# Altium PCB controller_V1.3.PcbDoc (part 3 of 6)
Units mil, origin at the board's own origin, x right, y up, seen from the top; angles counter-clockwise.
Board outline 9606 x 5905.51 mil, 2 copper layers (Top Layer, Bottom Layer); 441 components, 367 nets, 1496 pads, 5349 vias.
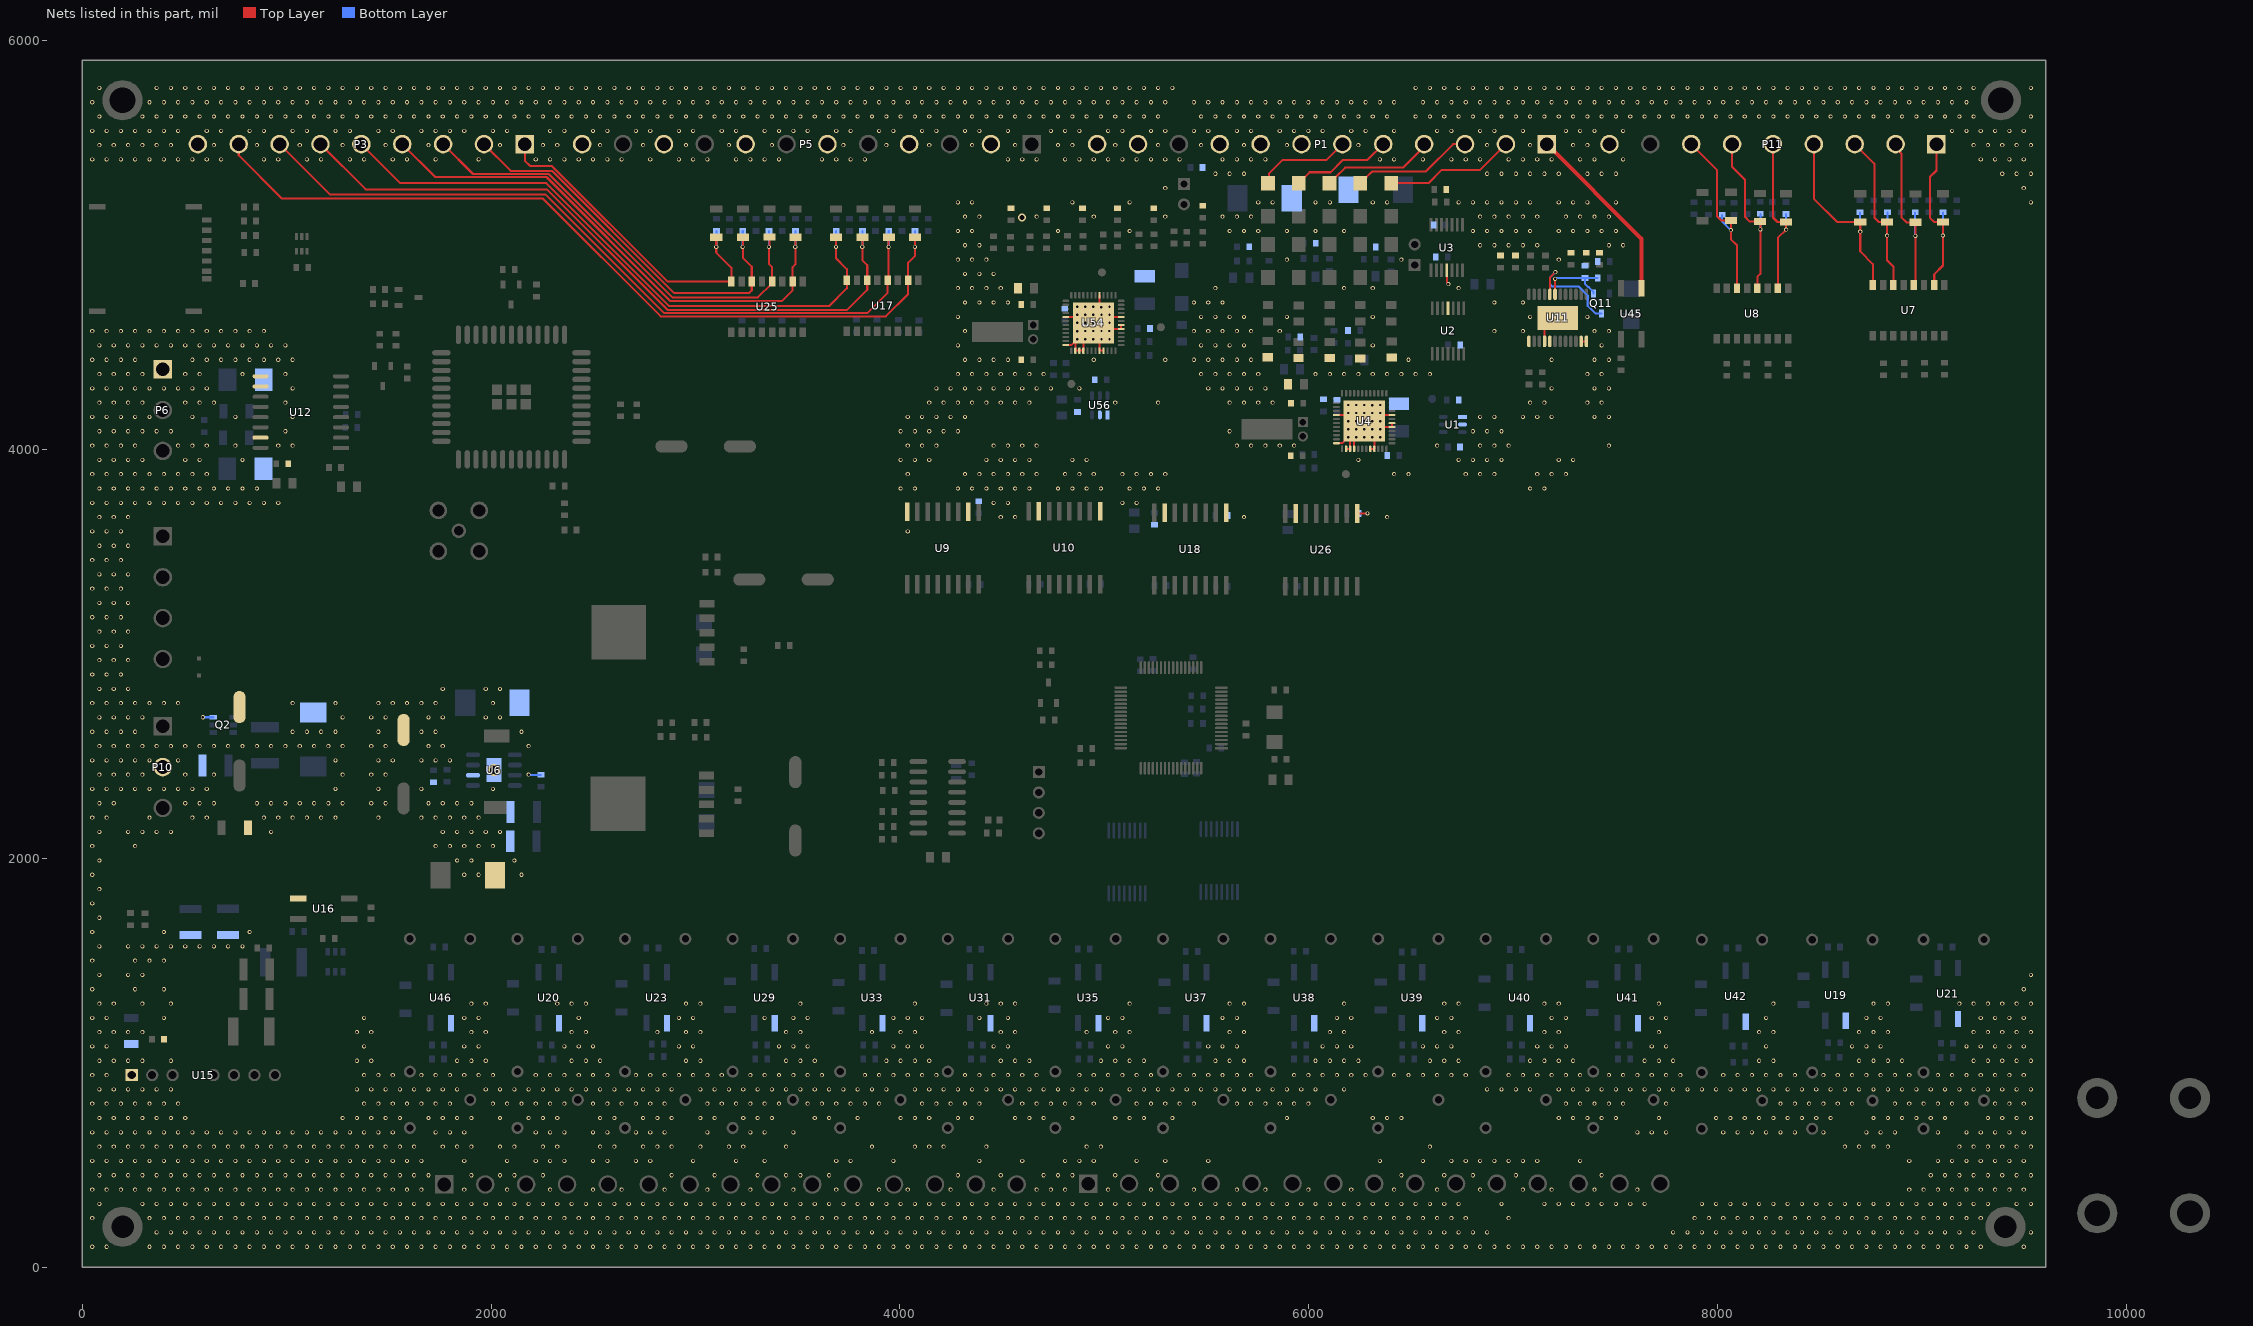
[diagram p3: the nets of this part, all layers, seen from the top]

## Via types
v1: diameter 20, hole 12, Top Layer to Bottom Layer, tented both sides, 5236 vias
v2: diameter 23.62, hole 11.81, Top Layer to Bottom Layer, 50 vias
v3: diameter 40, hole 25, Top Layer to Bottom Layer, tented both sides, 39 vias
v4: diameter 30, hole 20, Top Layer to Bottom Layer, tented both sides, 16 vias
v5: diameter 60, hole 40, Top Layer to Bottom Layer, tented both sides, 7 vias
v6: diameter 59.06, hole 39.37, Top Layer to Bottom Layer, 1 vias

## Nets (pads, with @x,y where several pads share a name; then routed paths per layer and width w, separated by ;. In a path a pad name is that pad's centre, name@x,y a point inside that pad or via, vN(x,y) a via of type N, cw(c..) or ccw(c..) an arc to the next point about the centre after c; other vN are vias at no path point) (continued)
AGND: C1.2 C2.1 C6.1 C7.1 C8.1 C15.1 C17.1 C25.1 C27.1 C36.1 C37.1 C38.2 C39.2 C40.1 C43.2 C44.2 C46.1 C47.1 C48.2 C49.1 C54.1 C58.1 C59.2 C62.1 C67.2 C68.2 C84.1 C85.1 C86.1 C112.1 C121.1 C133.1 C134.1 C135.1 C136.1 C138.1 C151.2 C153.2 C156.2 C157.1 C159.2 C160.1 C162.2 C164.1 C165.1 C167.1 D26.1 D35.1 D52.1 D75.1 D76.1 D78.1 D79.1 E13.2 E14.2 E138.2 P1.12 P3.9 P5.2 P5.4 P5.6 P5.8 P5.10 P5.12 P6.1 P10.2 P11.9 Q2.3 R6.1 R12.1 R14.1 R18.1 R23.1 R71.2 R89.1 R199.1 R200.1 R211.1 R212.1 R223.1 R224.1 U1.1 U1.2 U2.11 U3.11 U4.5 U4.12 U4.14 U4.15 U4.16 U4.20 U4.21 U4.29 U4.30 U4.32 U4.49 U6.6 U6.9 U9.2 U9.8 U10.9 U10.15 U11.1 U11.4 U11.5 U11.11 U11.12 U11.25 U12.9 U12.10 U12.15 U15.1 U16.3 U18.9 U18.15 U19.3 U20.3 U21.3 U23.3 U26.9 U26.15 U29.3 U31.3 U33.3 U35.3 U37.3 U38.3 U39.3 U40.3 U41.3 U42.3 U46.3 U54.5 U54.12 U54.14 U54.15 U54.16 U54.20 U54.21 U54.29 U54.30 U54.32 U54.41 U54.49 U56.1 U56.2 | length 1783.5
  Top Layer w10: U54.12@4811.34,4510.73 4838.9,4510.73 4853.66,4525.5 4856.69,4525.5 4858.58,4523.61 U54.14@4858.58,4483.17 U54.15@4878.27,4483.17 U54.16@4897.95,4483.17 U54.49@4897.95,4569.79 ; U54.5@4811.34,4648.53 4858.58,4648.53 v2(4868.43,4658.37) ; v2(4868.43,4540.26) U54.49@4897.95,4569.79 ; U54.49@4976.69,4658.37 U54.41@4976.69,4754.83 ; v2(4986.54,4540.26) 4976.69,4530.42 U54.20@4976.69,4483.17 U54.21@4996.38,4483.17 ; v2(5024.72,4579.63) 5034.57,4589.47 U54.29@5082.99,4589.47 U54.30@5082.99,4609.16 ; U54.32@5082.99,4648.53 4976.69,4648.53 v2(4947.17,4619) v2(4907.8,4579.63) U54.49@4897.95,4569.79 ; U4.12@6136.34,4030.73 6163.9,4030.73 v2(6193.43,4060.26) 6203.27,4050.42 U4.15@6203.27,4003.17 U4.14@6183.58,4003.17 ; U4.5@6136.34,4168.53 6183.58,4168.53 v2(6193.43,4178.37) ; U4.16@6222.95,4003.17 6222.95,4050.42 v2(6232.8,4060.26) ; U26.9@6236.85,3686.87 v1(6288.13,3686.87) ; v2(6272.17,4060.26) v2(6311.54,4060.26) ; U4.20@6301.69,4003.17 U4.21@6321.38,4003.17 6321.38,4050.42 v2(6311.54,4060.26) ; v2(6349.72,4099.63) 6359.57,4109.47 U4.29@6407.99,4109.47 U4.30@6407.99,4129.16 ; v2(6350.91,4060.26) v2(6311.54,4060.26) ; v2(6350.91,4178.37) 6360.75,4168.53 U4.32@6407.99,4168.53 ; U3.11@6676,4877 6676,4819.46 6683.75,4811.71 v1(6683.75,4809) ; U11.4@7154.56,4528.84 7154.56,4589.95 7208.61,4644 U11.25@7218.54,4644 ; U11.11@7333.69,4528.84 U11.12@7359.28,4528.84
  Bottom Layer w10: v1(590.2,2689.8) Q2.3@640.85,2689.8 ; v1(2183.75,2409) 2184.75,2408 C68.2@2244.85,2408
  other v1: 48.75,99 118.75,99 328.75,99 398.75,99 468.75,99 538.75,99 608.75,99 678.75,99 748.75,99 818.75,99 888.75,99 958.75,99 1028.75,99 1098.75,99 1168.75,99 1238.75,99 1308.75,99 1378.75,99 1448.75,99 1518.75,99 1588.75,99 1658.75,99 1728.75,99 1798.75,99 1868.75,99 1938.75,99 2008.75,99 2078.75,99 2148.75,99 2218.75,99 2288.75,99 2358.75,99 2428.75,99 2498.75,99 2568.75,99 2638.75,99 2708.75,99 2778.75,99 2848.75,99 2918.75,99 2988.75,99 3058.75,99 3128.75,99 3198.75,99 3268.75,99 3338.75,99 3408.75,99 3478.75,99 3548.75,99 3618.75,99 3688.75,99 3758.75,99 3828.75,99 3898.75,99 3968.75,99 4038.75,99 4108.75,99 4178.75,99 4248.75,99 4318.75,99 4388.75,99 4458.75,99 4528.75,99 4598.75,99 4668.75,99 4738.75,99 4808.75,99 4878.75,99 4948.75,99 5018.75,99 5088.75,99 5158.75,99 5228.75,99 5298.75,99 5368.75,99 5438.75,99 5508.75,99 5578.75,99 5648.75,99 5718.75,99 5788.75,99 5858.75,99 5928.75,99 5998.75,99 6068.75,99 6138.75,99 6208.75,99 6278.75,99 6348.75,99 6418.75,99 6488.75,99 6558.75,99 6628.75,99 6698.75,99 6768.75,99 6838.75,99 6908.75,99 6978.75,99 7048.75,99 7118.75,99 7188.75,99 7258.75,99 7328.75,99 7398.75,99 7468.75,99 7538.75,99 7608.75,99 7678.75,99 7748.75,99 7818.75,99 7888.75,99 7958.75,99 8028.75,99 8098.75,99 8168.75,99 8238.75,99 8308.75,99 8378.75,99 8448.75,99 8518.75,99 8588.75,99 8658.75,99 8728.75,99 8798.75,99 8868.75,99 8938.75,99 9008.75,99 9078.75,99 9148.75,99 9218.75,99 9288.75,99 9498.75,99 363.75,169 433.75,169 503.75,169 573.75,169 643.75,169 713.75,169 783.75,169 853.75,169 923.75,169 993.75,169 1063.75,169 1133.75,169 1203.75,169 1273.75,169 1343.75,169 1413.75,169 1483.75,169 1553.75,169 1623.75,169 1693.75,169 1763.75,169 1833.75,169 1903.75,169 1973.75,169 2043.75,169 2113.75,169 2183.75,169 2253.75,169 2323.75,169 2393.75,169 2463.75,169 2533.75,169 2603.75,169 2673.75,169 2743.75,169 2813.75,169 2883.75,169 2953.75,169 3023.75,169 3093.75,169 3163.75,169 3233.75,169 3303.75,169 3373.75,169 3443.75,169 3513.75,169 3583.75,169 3653.75,169 3723.75,169 3793.75,169 3863.75,169 3933.75,169 4003.75,169 4073.75,169 4143.75,169 4213.75,169 4283.75,169 4353.75,169 4423.75,169 4493.75,169 4563.75,169 4633.75,169 4703.75,169 4773.75,169 4843.75,169 4913.75,169 4983.75,169 5053.75,169 5123.75,169 5193.75,169 5263.75,169 5333.75,169 5403.75,169 5473.75,169 5543.75,169 5613.75,169 5683.75,169 5753.75,169 5823.75,169 5893.75,169 5963.75,169 6033.75,169 6103.75,169 6173.75,169 6243.75,169 6313.75,169 6383.75,169 6453.75,169 6523.75,169 6593.75,169 6663.75,169 6733.75,169 6803.75,169 6873.75,169 7783.75,169 7853.75,169 7923.75,169 7993.75,169 8063.75,169 8133.75,169 8203.75,169 8273.75,169 8343.75,169 8413.75,169 8483.75,169 8553.75,169 8623.75,169 8693.75,169 8763.75,169 8833.75,169 8903.75,169 8973.75,169 9043.75,169 9113.75,169 9183.75,169 9253.75,169 9533.75,169 48.75,239 328.75,239 398.75,239 468.75,239 538.75,239 608.75,239 678.75,239 748.75,239 818.75,239 888.75,239 958.75,239 1028.75,239 1098.75,239 1168.75,239 1238.75,239 1308.75,239 1378.75,239 1448.75,239 1518.75,239 1588.75,239 1658.75,239 1728.75,239 1798.75,239 1868.75,239 1938.75,239 2008.75,239 2078.75,239 2148.75,239 2218.75,239 2288.75,239 2358.75,239 2428.75,239 2498.75,239 2568.75,239 2638.75,239 2708.75,239 2778.75,239 2848.75,239 2918.75,239 2988.75,239 3058.75,239 3128.75,239 3198.75,239 3268.75,239 3338.75,239 3408.75,239 3478.75,239 3548.75,239 3618.75,239 3688.75,239 3758.75,239 3828.75,239 3898.75,239 3968.75,239 4038.75,239 4108.75,239 4178.75,239 4248.75,239 4318.75,239 4388.75,239 4458.75,239 4528.75,239 4598.75,239 4668.75,239 4738.75,239 4808.75,239 4878.75,239 4948.75,239 5018.75,239 5088.75,239 5158.75,239 5228.75,239 5298.75,239 5368.75,239 5438.75,239 5508.75,239 5578.75,239 5648.75,239 5718.75,239 5788.75,239 5858.75,239 5928.75,239 5998.75,239 6068.75,239 6138.75,239 6208.75,239 6278.75,239 6348.75,239 6418.75,239 6488.75,239 6558.75,239 6628.75,239 6698.75,239 6768.75,239 6978.75,239 7888.75,239 7958.75,239 8028.75,239 8098.75,239 8168.75,239 8238.75,239 8308.75,239 8378.75,239 8448.75,239 8518.75,239 8588.75,239 8658.75,239 8728.75,239 8798.75,239 8868.75,239 8938.75,239 9008.75,239 9078.75,239 9148.75,239 9218.75,239 9288.75,239 83.75,309 293.75,309 363.75,309 433.75,309 503.75,309 573.75,309 643.75,309 713.75,309 783.75,309 853.75,309 923.75,309 993.75,309 1063.75,309 1133.75,309 1203.75,309 1273.75,309 1343.75,309 1413.75,309 1483.75,309 1553.75,309 1623.75,309 1693.75,309 1763.75,309 1833.75,309 1903.75,309 1973.75,309 2043.75,309 2113.75,309 2183.75,309 2253.75,309 2323.75,309 2393.75,309 2463.75,309 2533.75,309 2603.75,309 2673.75,309 2743.75,309 2813.75,309 2883.75,309 2953.75,309 3023.75,309 3093.75,309 3163.75,309 3233.75,309 3303.75,309 3373.75,309 3443.75,309 3513.75,309 3583.75,309 3653.75,309 3723.75,309 3793.75,309 3863.75,309 3933.75,309 4003.75,309 4073.75,309 4143.75,309 4213.75,309 4283.75,309 4353.75,309 4423.75,309 4493.75,309 4563.75,309 4633.75,309 4703.75,309 4773.75,309 4843.75,309 4913.75,309 4983.75,309 5053.75,309 5123.75,309 5193.75,309 5263.75,309 5333.75,309 5403.75,309 5473.75,309 5543.75,309 5613.75,309 5683.75,309 5753.75,309 5823.75,309 5893.75,309 5963.75,309 6033.75,309 6103.75,309 6173.75,309 6243.75,309 6313.75,309 6383.75,309 6453.75,309 6523.75,309 6593.75,309 6663.75,309 6733.75,309 6943.75,309 7153.75,309 7223.75,309 7293.75,309 7363.75,309 7433.75,309 7503.75,309 7573.75,309 7643.75,309 7923.75,309 7993.75,309 8063.75,309 8133.75,309 8203.75,309 8273.75,309 8343.75,309 8413.75,309 8483.75,309 8553.75,309 8623.75,309 8693.75,309 8763.75,309 8833.75,309 8903.75,309 8973.75,309 9043.75,309 9113.75,309 9183.75,309 9253.75,309 9323.75,309 9463.75,309 9533.75,309 48.75,379 118.75,379 188.75,379 258.75,379 328.75,379 398.75,379 468.75,379 538.75,379 608.75,379 678.75,379 748.75,379 818.75,379 888.75,379 958.75,379 1028.75,379 1098.75,379 1168.75,379 1238.75,379 1308.75,379 1378.75,379 1448.75,379 1518.75,379 1588.75,379 1658.75,379 1868.75,379 2078.75,379 2288.75,379 2498.75,379 2638.75,379 2848.75,379 3058.75,379 3268.75,379 3478.75,379 3688.75,379 3898.75,379 4038.75,379 4248.75,379 4458.75,379 4668.75,379 4738.75,379 4808.75,379 5018.75,379 5228.75,379 5438.75,379 5648.75,379 5788.75,379 5998.75,379 6208.75,379 6418.75,379 6628.75,379 6838.75,379 7048.75,379 7188.75,379 7398.75,379 7608.75,379 8938.75,379 9008.75,379 9078.75,379 9148.75,379 9218.75,379 9288.75,379 9358.75,379 9428.75,379 9498.75,379 83.75,449 153.75,449 223.75,449 293.75,449 363.75,449 433.75,449 503.75,449 573.75,449 643.75,449 713.75,449 783.75,449 853.75,449 923.75,449 993.75,449 1063.75,449 1133.75,449 1203.75,449 1273.75,449 1343.75,449 1413.75,449 1483.75,449 1553.75,449 1623.75,449 1693.75,449 1903.75,449 2043.75,449 2113.75,449 2253.75,449 2883.75,449 3093.75,449 3303.75,449 3443.75,449 3513.75,449 3653.75,449 4283.75,449 4493.75,449 4703.75,449 4773.75,449 4843.75,449 5053.75,449 5263.75,449 6453.75,449 6663.75,449 6803.75,449 7013.75,449 7433.75,449 9043.75,449 9113.75,449 9183.75,449 9253.75,449 9323.75,449 9393.75,449 9463.75,449 9533.75,449 48.75,519 118.75,519 188.75,519 258.75,519 328.75,519 398.75,519 468.75,519 538.75,519 608.75,519 678.75,519 748.75,519 818.75,519 888.75,519 958.75,519 1028.75,519 1098.75,519 1168.75,519 1238.75,519 1308.75,519 1378.75,519 1448.75,519 1518.75,519 1588.75,519 1658.75,519 1868.75,519 2078.75,519 2218.75,519 2288.75,519 2358.75,519 2498.75,519 2568.75,519 2708.75,519 2778.75,519 2988.75,519 3198.75,519 3338.75,519 3688.75,519 3758.75,519 3968.75,519 4388.75,519 4598.75,519 4808.75,519 4878.75,519 4948.75,519 5158.75,519 5298.75,519 5508.75,519 6348.75,519 6558.75,519 6698.75,519 6768.75,519 6838.75,519 6908.75,519 6978.75,519 7048.75,519 7118.75,519 7328.75,519 8938.75,519 9078.75,519 9148.75,519 9218.75,519 9288.75,519 9358.75,519 9428.75,519 9498.75,519 83.75,589 153.75,589 223.75,589 293.75,589 363.75,589 433.75,589 503.75,589 573.75,589 643.75,589 713.75,589 783.75,589 853.75,589 923.75,589 993.75,589 1063.75,589 1133.75,589 1203.75,589 1273.75,589 1343.75,589 1413.75,589 1483.75,589 1553.75,589 1623.75,589 1763.75,589 1833.75,589 1903.75,589 2043.75,589 2113.75,589 2253.75,589 2323.75,589 2533.75,589 2603.75,589 2743.75,589 2813.75,589 2883.75,589 3023.75,589 3163.75,589 3233.75,589 3443.75,589 3863.75,589 4073.75,589 4143.75,589 4213.75,589 4423.75,589 4913.75,589 4983.75,589 6593.75,589 8623.75,589 8693.75,589 8763.75,589 8833.75,589 9183.75,589 9253.75,589 9323.75,589 9393.75,589 9463.75,589 9533.75,589 48.75,659 118.75,659 188.75,659 258.75,659 328.75,659 398.75,659 468.75,659 538.75,659 608.75,659 678.75,659 748.75,659 818.75,659 888.75,659 958.75,659 1028.75,659 1098.75,659 1168.75,659 1238.75,659 1308.75,659 1378.75,659 1448.75,659 1518.75,659 1728.75,659 1798.75,659 1868.75,659 2218.75,659 2288.75,659 2358.75,659 2498.75,659 2568.75,659 2708.75,659 2778.75,659 2848.75,659 3058.75,659 3268.75,659 3338.75,659 3478.75,659 7608.75,659 7678.75,659 7748.75,659 8028.75,659 8098.75,659 8168.75,659 8238.75,659 8308.75,659 8378.75,659 8518.75,659 8728.75,659 8798.75,659 8868.75,659 9078.75,659 9218.75,659 9288.75,659 9358.75,659 9428.75,659 9498.75,659 83.75,729 153.75,729 223.75,729 293.75,729 363.75,729 433.75,729 503.75,729 1273.75,729 1343.75,729 1413.75,729 1483.75,729 1553.75,729 1693.75,729 1763.75,729 1833.75,729 1903.75,729 2043.75,729 2183.75,729 2253.75,729 2323.75,729 2533.75,729 2603.75,729 2743.75,729 2813.75,729 2883.75,729 3023.75,729 3093.75,729 3233.75,729 3303.75,729 3373.75,729 3583.75,729 3653.75,729 3793.75,729 4003.75,729 4073.75,729 4143.75,729 4283.75,729 4353.75,729 4563.75,729 4633.75,729 4703.75,729 4843.75,729 5053.75,729 5123.75,729 5193.75,729 5333.75,729 5893.75,729 6313.75,729 6383.75,729 6453.75,729 7223.75,729 7293.75,729 7363.75,729 7433.75,729 7503.75,729 7713.75,729 7993.75,729 8063.75,729 8133.75,729 8203.75,729 8273.75,729 8343.75,729 8413.75,729 8483.75,729 8553.75,729 8763.75,729 8833.75,729 8903.75,729 8973.75,729 9043.75,729 9113.75,729 9323.75,729 9393.75,729 9463.75,729 9533.75,729 48.75,799 118.75,799 188.75,799 258.75,799 328.75,799 398.75,799 468.75,799 1378.75,799 1448.75,799 1518.75,799 1588.75,799 1658.75,799 1728.75,799 1798.75,799 2008.75,799 2078.75,799 2148.75,799 2218.75,799 2288.75,799 2358.75,799 2498.75,799 2568.75,799 2638.75,799 2708.75,799 2778.75,799 2848.75,799 3058.75,799 3128.75,799 3198.75,799 3268.75,799 3338.75,799 3408.75,799 3548.75,799 3618.75,799 3688.75,799 3758.75,799 3828.75,799 3898.75,799 4108.75,799 4178.75,799 4248.75,799 4318.75,799 4388.75,799 4598.75,799 4668.75,799 4738.75,799 4808.75,799 4878.75,799 4948.75,799 5158.75,799 5228.75,799 5298.75,799 5368.75,799 5438.75,799 5648.75,799 5718.75,799 5788.75,799 5858.75,799 5928.75,799 5998.75,799 7258.75,799 7328.75,799 7398.75,799 7468.75,799 7538.75,799 7748.75,799 8308.75,799 8378.75,799 8448.75,799 8518.75,799 8588.75,799 8658.75,799 8868.75,799 8938.75,799 9008.75,799 9078.75,799 9148.75,799 9218.75,799 9358.75,799 9428.75,799 9498.75,799 83.75,869 153.75,869 223.75,869 293.75,869 363.75,869 433.75,869 1343.75,869 1413.75,869 1483.75,869 1553.75,869 1623.75,869 1693.75,869 1763.75,869 1833.75,869 1973.75,869 2043.75,869 2113.75,869 2183.75,869 2253.75,869 2323.75,869 2393.75,869 2463.75,869 2533.75,869 2603.75,869 2673.75,869 2743.75,869 2813.75,869 2883.75,869 3023.75,869 3093.75,869 3163.75,869 3233.75,869 3303.75,869 3373.75,869 3443.75,869 3513.75,869 3583.75,869 3653.75,869 3723.75,869 3793.75,869 3863.75,869 3933.75,869 4073.75,869 4143.75,869 4213.75,869 4283.75,869 4353.75,869 4423.75,869 4493.75,869 4563.75,869 4633.75,869 4703.75,869 4773.75,869 4843.75,869 4913.75,869 4983.75,869 5123.75,869 5193.75,869 5263.75,869 5333.75,869 5403.75,869 5473.75,869 5543.75,869 5613.75,869 5683.75,869 5753.75,869 5823.75,869 5893.75,869 5963.75,869 6033.75,869 6173.75,869 6873.75,869 6943.75,869 7013.75,869 7083.75,869 7223.75,869 7293.75,869 7363.75,869 7433.75,869 7503.75,869 7573.75,869 7643.75,869 7713.75,869 7783.75,869 7853.75,869 7923.75,869 7993.75,869 8063.75,869 8133.75,869 8203.75,869 8273.75,869 8343.75,869 8413.75,869 8483.75,869 8553.75,869 8623.75,869 8693.75,869 8763.75,869 8833.75,869 8903.75,869 8973.75,869 9043.75,869 9113.75,869 9183.75,869 9253.75,869 9323.75,869 9393.75,869 9463.75,869 9533.75,869 48.75,939 118.75,939 1378.75,939 1448.75,939 1518.75,939 1658.75,939 1728.75,939 1798.75,939 1868.75,939 1938.75,939 2008.75,939 2218.75,939 2288.75,939 2358.75,939 2428.75,939 2498.75,939 2568.75,939 2708.75,939 2778.75,939 2848.75,939 2918.75,939 2988.75,939 3058.75,939 3128.75,939 3268.75,939 3338.75,939 3408.75,939 3478.75,939 3548.75,939 3618.75,939 3828.75,939 3898.75,939 3968.75,939 4038.75,939 4108.75,939 4178.75,939 4318.75,939 4388.75,939 4458.75,939 4528.75,939 4598.75,939 4668.75,939 4878.75,939 4948.75,939 5018.75,939 5088.75,939 5158.75,939 5228.75,939 5368.75,939 5438.75,939 5508.75,939 5578.75,939 5648.75,939 5718.75,939 5928.75,939 5998.75,939 6068.75,939 6138.75,939 6208.75,939 6278.75,939 6418.75,939 6488.75,939 6558.75,939 6628.75,939 6698.75,939 6768.75,939 6978.75,939 7048.75,939 7118.75,939 7188.75,939 7258.75,939 7328.75,939 7468.75,939 7538.75,939 7608.75,939 7678.75,939 7748.75,939 7818.75,939 8028.75,939 8098.75,939 8168.75,939 8238.75,939 8308.75,939 8378.75,939 8518.75,939 8588.75,939 8658.75,939 8728.75,939 8798.75,939 8868.75,939 8938.75,939 9078.75,939 9148.75,939 9218.75,939 9288.75,939 9358.75,939 9428.75,939 9498.75,939 83.75,1009 153.75,1009 223.75,1009 293.75,1009 433.75,1009 1343.75,1009 1413.75,1009 1833.75,1009 1903.75,1009 1973.75,1009 2393.75,1009 2463.75,1009 2533.75,1009 2953.75,1009 3023.75,1009 3443.75,1009 3513.75,1009 3583.75,1009 3933.75,1009 4003.75,1009 4073.75,1009 4143.75,1009 4493.75,1009 4563.75,1009 4633.75,1009 4983.75,1009 5053.75,1009 5123.75,1009 5193.75,1009 5543.75,1009 5613.75,1009 5683.75,1009 6033.75,1009 6103.75,1009 6173.75,1009 6243.75,1009 6593.75,1009 6663.75,1009 6733.75,1009 7083.75,1009 7153.75,1009 7223.75,1009 7293.75,1009 7643.75,1009 7713.75,1009 7783.75,1009 8203.75,1009 8273.75,1009 8693.75,1009 8763.75,1009 8833.75,1009 8903.75,1009 9253.75,1009 9323.75,1009 9393.75,1009 9463.75,1009 9533.75,1009 48.75,1079 118.75,1079 1378.75,1079 1868.75,1079 1938.75,1079 2358.75,1079 2428.75,1079 2498.75,1079 2918.75,1079 2988.75,1079 3408.75,1079 3478.75,1079 3548.75,1079 3968.75,1079 4038.75,1079 4108.75,1079 4458.75,1079 4528.75,1079 5018.75,1079 5088.75,1079 5508.75,1079 5578.75,1079 5648.75,1079 6068.75,1079 6138.75,1079 6208.75,1079 6558.75,1079 6628.75,1079 6698.75,1079 7118.75,1079 7188.75,1079 7258.75,1079 7678.75,1079 7748.75,1079 8238.75,1079 8658.75,1079 8728.75,1079 8798.75,1079 9218.75,1079 9288.75,1079 9358.75,1079 9428.75,1079 9498.75,1079 83.75,1149 153.75,1149 223.75,1149 293.75,1149 1343.75,1149 1413.75,1149 1903.75,1149 1973.75,1149 2393.75,1149 2463.75,1149 2813.75,1149 2953.75,1149 3023.75,1149 3443.75,1149 3513.75,1149 3863.75,1149 4003.75,1149 4073.75,1149 4493.75,1149 4563.75,1149 4913.75,1149 5053.75,1149 5123.75,1149 5613.75,1149 5683.75,1149 6103.75,1149 6173.75,1149 6663.75,1149 6733.75,1149 7153.75,1149 7223.75,1149 7713.75,1149 8203.75,1149 8273.75,1149 8693.75,1149 8763.75,1149 8833.75,1149 9253.75,1149 9323.75,1149 9393.75,1149 9463.75,1149 9533.75,1149 48.75,1219 118.75,1219 398.75,1219 1378.75,1219 1868.75,1219 1938.75,1219 2428.75,1219 2918.75,1219 2988.75,1219 3338.75,1219 3478.75,1219 3548.75,1219 3968.75,1219 4038.75,1219 4108.75,1219 4388.75,1219 4528.75,1219 5018.75,1219 5088.75,1219 5578.75,1219 5648.75,1219 6138.75,1219 6208.75,1219 6628.75,1219 6698.75,1219 7188.75,1219 7258.75,1219 7678.75,1219 7748.75,1219 8238.75,1219 8728.75,1219 8798.75,1219 9288.75,1219 9358.75,1219 9428.75,1219 9498.75,1219 83.75,1289 153.75,1289 293.75,1289 433.75,1289 1903.75,1289 1973.75,1289 2323.75,1289 2393.75,1289 2463.75,1289 2953.75,1289 3023.75,1289 3513.75,1289 4073.75,1289 4423.75,1289 4493.75,1289 4563.75,1289 5123.75,1289 5613.75,1289 5683.75,1289 6173.75,1289 6663.75,1289 6733.75,1289 7153.75,1289 7223.75,1289 7713.75,1289 8273.75,1289 8763.75,1289 8833.75,1289 9183.75,1289 9253.75,1289 9323.75,1289 9393.75,1289 9463.75,1289 9533.75,1289 48.75,1359 258.75,1359 398.75,1359 9498.75,1359 83.75,1429 223.75,1429 293.75,1429 9533.75,1429 48.75,1499 258.75,1499 328.75,1499 398.75,1499 83.75,1569 223.75,1569 293.75,1569 363.75,1569 433.75,1569 503.75,1569 573.75,1569 643.75,1569 713.75,1569 783.75,1569 48.75,1639 398.75,1639 818.75,1639 83.75,1709 48.75,1779 83.75,1849 48.75,1919 1868.75,1919 1938.75,1919 2148.75,1919 83.75,1989 1833.75,1989 1903.75,1989 2113.75,1989 48.75,2059 258.75,2059 1728.75,2059 1798.75,2059 1868.75,2059 1938.75,2059 2008.75,2059 83.75,2129 223.75,2129 293.75,2129 363.75,2129 433.75,2129 923.75,2129 1763.75,2129 1833.75,2129 1903.75,2129 1973.75,2129 2043.75,2129 48.75,2199 118.75,2199 328.75,2199 538.75,2199 608.75,2199 888.75,2199 958.75,2199 1028.75,2199 1098.75,2199 1168.75,2199 1238.75,2199 1448.75,2199 1658.75,2199 1728.75,2199 1798.75,2199 1868.75,2199 1938.75,2199 83.75,2269 153.75,2269 503.75,2269 573.75,2269 643.75,2269 853.75,2269 923.75,2269 993.75,2269 1063.75,2269 1133.75,2269 1203.75,2269 1273.75,2269 1413.75,2269 1483.75,2269 1693.75,2269 1763.75,2269 1833.75,2269 1903.75,2269 48.75,2339 118.75,2339 188.75,2339 258.75,2339 328.75,2339 398.75,2339 468.75,2339 538.75,2339 608.75,2339 1238.75,2339 1448.75,2339 1658.75,2339 2008.75,2339 83.75,2409 153.75,2409 223.75,2409 293.75,2409 503.75,2409 643.75,2409 1273.75,2409 1413.75,2409 1483.75,2409 48.75,2479 118.75,2479 188.75,2479 258.75,2479 328.75,2479 468.75,2479 1238.75,2479 1448.75,2479 1518.75,2479 1658.75,2479 1728.75,2479 1798.75,2479 83.75,2549 153.75,2549 223.75,2549 293.75,2549 363.75,2549 433.75,2549 503.75,2549 573.75,2549 643.75,2549 713.75,2549 783.75,2549 853.75,2549 923.75,2549 993.75,2549 1063.75,2549 1133.75,2549 1203.75,2549 1273.75,2549 1413.75,2549 1483.75,2549 1693.75,2549 1763.75,2549 2183.75,2549 48.75,2619 118.75,2619 188.75,2619 258.75,2619 1028.75,2619 1098.75,2619 1168.75,2619 1238.75,2619 1448.75,2619 1658.75,2619 1728.75,2619 2148.75,2619 83.75,2689 153.75,2689 223.75,2689 293.75,2689 1273.75,2689 1413.75,2689 1483.75,2689 1693.75,2689 1763.75,2689 1973.75,2689 2043.75,2689 48.75,2759 118.75,2759 188.75,2759 258.75,2759 328.75,2759 398.75,2759 468.75,2759 1028.75,2759 1238.75,2759 1448.75,2759 1518.75,2759 1588.75,2759 1658.75,2759 1728.75,2759 2008.75,2759 83.75,2829 153.75,2829 223.75,2829 1763.75,2829 1973.75,2829 2043.75,2829 48.75,2899 118.75,2899 188.75,2899 83.75,2969 153.75,2969 223.75,2969 48.75,3039 118.75,3039 188.75,3039 83.75,3109 153.75,3109 223.75,3109 48.75,3179 118.75,3179 188.75,3179 83.75,3249 153.75,3249 223.75,3249 48.75,3319 118.75,3319 188.75,3319 83.75,3389 153.75,3389 223.75,3389 48.75,3459 118.75,3459 188.75,3459 83.75,3529 153.75,3529 223.75,3529 48.75,3599 118.75,3599 188.75,3599 4038.75,3599 83.75,3669 153.75,3669 223.75,3669 4493.75,3669 4563.75,3669 5683.75,3669 6383.75,3669 48.75,3739 118.75,3739 188.75,3739 258.75,3739 328.75,3739 398.75,3739 468.75,3739 538.75,3739 608.75,3739 678.75,3739 748.75,3739 818.75,3739 888.75,3739 958.75,3739 4458.75,3739 4528.75,3739 5088.75,3739 5158.75,3739 83.75,3809 153.75,3809 223.75,3809 293.75,3809 363.75,3809 433.75,3809 503.75,3809 573.75,3809 643.75,3809 713.75,3809 783.75,3809 853.75,3809 4003.75,3809 4073.75,3809 4283.75,3809 4353.75,3809 4423.75,3809 4493.75,3809 4563.75,3809 4633.75,3809 4773.75,3809 4843.75,3809 4913.75,3809 4983.75,3809 5123.75,3809 5193.75,3809 5263.75,3809 7083.75,3809 7153.75,3809 48.75,3879 118.75,3879 188.75,3879 258.75,3879 328.75,3879 398.75,3879 468.75,3879 538.75,3879 608.75,3879 4038.75,3879 4318.75,3879 4388.75,3879 4458.75,3879 4528.75,3879 4598.75,3879 4668.75,3879 4808.75,3879 4878.75,3879 4948.75,3879 5088.75,3879 5158.75,3879 5228.75,3879 5298.75,3879 6418.75,3879 6488.75,3879 6768.75,3879 6838.75,3879 6908.75,3879 7118.75,3879 7188.75,3879 7258.75,3879 83.75,3949 153.75,3949 223.75,3949 293.75,3949 503.75,3949 573.75,3949 783.75,3949 4003.75,3949 4073.75,3949 4143.75,3949 4423.75,3949 4493.75,3949 4563.75,3949 4633.75,3949 4843.75,3949 4913.75,3949 6243.75,3949 6733.75,3949 6803.75,3949 6873.75,3949 6943.75,3949 7223.75,3949 7293.75,3949 48.75,4019 118.75,4019 188.75,4019 258.75,4019 468.75,4019 538.75,4019 608.75,4019 748.75,4019 958.75,4019 1028.75,4019 4038.75,4019 4108.75,4019 4178.75,4019 4458.75,4019 4528.75,4019 4598.75,4019 4668.75,4019 5648.75,4019 5718.75,4019 5788.75,4019 5858.75,4019 5928.75,4019 6628.75,4019 6838.75,4019 6908.75,4019 6978.75,4019 7468.75,4019 83.75,4089 153.75,4089 223.75,4089 293.75,4089 363.75,4089 433.75,4089 993.75,4089 4003.75,4089 4073.75,4089 4143.75,4089 4213.75,4089 4283.75,4089 5613.75,4089 6803.75,4089 6873.75,4089 6943.75,4089 48.75,4159 118.75,4159 188.75,4159 258.75,4159 328.75,4159 538.75,4159 748.75,4159 1028.75,4159 4038.75,4159 4108.75,4159 4178.75,4159 4248.75,4159 4318.75,4159 6838.75,4159 6908.75,4159 7048.75,4159 7118.75,4159 7188.75,4159 7398.75,4159 7468.75,4159 83.75,4229 153.75,4229 223.75,4229 293.75,4229 503.75,4229 573.75,4229 643.75,4229 993.75,4229 4143.75,4229 4213.75,4229 4283.75,4229 4353.75,4229 4423.75,4229 4493.75,4229 4563.75,4229 4633.75,4229 5053.75,4229 5263.75,4229 5613.75,4229 5683.75,4229 5753.75,4229 5823.75,4229 7083.75,4229 7153.75,4229 7363.75,4229 7433.75,4229 48.75,4299 118.75,4299 188.75,4299 258.75,4299 328.75,4299 398.75,4299 468.75,4299 538.75,4299 608.75,4299 1028.75,4299 4178.75,4299 4248.75,4299 4318.75,4299 4388.75,4299 4458.75,4299 4528.75,4299 4598.75,4299 4668.75,4299 4738.75,4299 4878.75,4299 5508.75,4299 5578.75,4299 5648.75,4299 5718.75,4299 5788.75,4299 7188.75,4299 7398.75,4299 7468.75,4299 83.75,4369 153.75,4369 223.75,4369 293.75,4369 503.75,4369 573.75,4369 783.75,4369 993.75,4369 4283.75,4369 4353.75,4369 4423.75,4369 4493.75,4369 4563.75,4369 4633.75,4369 4703.75,4369 5473.75,4369 5543.75,4369 5613.75,4369 5683.75,4369 5753.75,4369 6033.75,4369 6103.75,4369 6173.75,4369 6243.75,4369 6313.75,4369 6383.75,4369 6453.75,4369 6523.75,4369 6593.75,4369 7363.75,4369 7433.75,4369 48.75,4439 118.75,4439 188.75,4439 258.75,4439 538.75,4439 608.75,4439 678.75,4439 748.75,4439 818.75,4439 888.75,4439 958.75,4439 1028.75,4439 4318.75,4439 4388.75,4439 4458.75,4439 4528.75,4439 4948.75,4439 5298.75,4439 5438.75,4439 5508.75,4439 5578.75,4439 5648.75,4439 5718.75,4439 6488.75,4439 7188.75,4439 7398.75,4439 7468.75,4439 83.75,4509 153.75,4509 223.75,4509 293.75,4509 363.75,4509 433.75,4509 503.75,4509 573.75,4509 643.75,4509 713.75,4509 783.75,4509 853.75,4509 923.75,4509 993.75,4509 4283.75,4509 5473.75,4509 5543.75,4509 5613.75,4509 5683.75,4509 6313.75,4509 7433.75,4509 48.75,4579 118.75,4579 188.75,4579 258.75,4579 328.75,4579 398.75,4579 468.75,4579 538.75,4579 608.75,4579 678.75,4579 748.75,4579 818.75,4579 888.75,4579 4318.75,4579 5438.75,4579 5508.75,4579 5578.75,4579 5648.75,4579 5718.75,4579 5858.75,4579 6908.75,4579 7048.75,4579 7398.75,4579 7468.75,4579 4283.75,4649 5473.75,4649 5543.75,4649 5613.75,4649 5683.75,4649 5893.75,4649 6313.75,4649 7083.75,4649 7363.75,4649 4318.75,4719 4388.75,4719 4458.75,4719 4528.75,4719 5438.75,4719 5508.75,4719 5578.75,4719 6908.75,4719 7048.75,4719 4283.75,4789 4353.75,4789 4423.75,4789 4493.75,4789 5543.75,4789 6173.75,4789 6313.75,4789 6733.75,4789 4318.75,4859 4388.75,4859 4458.75,4859 4283.75,4929 4353.75,4929 4423.75,4929 5893.75,4929 6453.75,4929 7223.75,4929 4318.75,4999 4388.75,4999 6838.75,4999 6908.75,4999 6978.75,4999 7048.75,4999 7118.75,4999 7468.75,4999 7538.75,4999 4283.75,5069 4353.75,5069 4773.75,5069 5123.75,5069 5613.75,5069 5683.75,5069 5753.75,5069 5893.75,5069 6033.75,5069 6173.75,5069 6803.75,5069 6873.75,5069 6943.75,5069 7013.75,5069 7083.75,5069 7223.75,5069 7293.75,5069 7363.75,5069 7433.75,5069 7503.75,5069 4318.75,5139 4388.75,5139 4668.75,5139 4948.75,5139 5298.75,5139 5578.75,5139 5648.75,5139 5718.75,5139 6838.75,5139 6908.75,5139 6978.75,5139 7048.75,5139 7118.75,5139 7258.75,5139 7328.75,5139 7398.75,5139 7468.75,5139 4283.75,5209 4353.75,5209 4843.75,5209 5123.75,5209 5753.75,5209 5823.75,5209 6033.75,5209 6103.75,5209 6313.75,5209 6383.75,5209 6733.75,5209 6803.75,5209 6873.75,5209 6943.75,5209 7013.75,5209 7083.75,5209 7223.75,5209 7293.75,5209 7363.75,5209 7503.75,5209 9533.75,5209 5298.75,5279 9498.75,5279 5543.75,5349 5613.75,5349 5683.75,5349 6873.75,5349 6943.75,5349 7013.75,5349 7083.75,5349 7153.75,5349 7223.75,5349 7363.75,5349 7433.75,5349 7503.75,5349 9393.75,5349 9463.75,5349 9533.75,5349 48.75,5419 118.75,5419 188.75,5419 258.75,5419 328.75,5419 398.75,5419 468.75,5419 538.75,5419 608.75,5419 678.75,5419 888.75,5419 958.75,5419 1098.75,5419 1168.75,5419 1308.75,5419 1378.75,5419 1518.75,5419 1588.75,5419 1728.75,5419 1938.75,5419 2218.75,5419 2288.75,5419 2358.75,5419 2428.75,5419 2498.75,5419 2568.75,5419 2638.75,5419 2778.75,5419 2918.75,5419 2988.75,5419 3058.75,5419 3198.75,5419 3268.75,5419 3338.75,5419 3408.75,5419 3618.75,5419 3688.75,5419 3758.75,5419 3828.75,5419 4528.75,5419 4598.75,5419 4668.75,5419 4808.75,5419 4878.75,5419 4948.75,5419 5018.75,5419 5088.75,5419 5158.75,5419 5228.75,5419 5298.75,5419 5368.75,5419 5578.75,5419 5648.75,5419 5718.75,5419 5788.75,5419 6348.75,5419 6418.75,5419 6558.75,5419 6698.75,5419 6768.75,5419 6838.75,5419 6978.75,5419 7048.75,5419 7118.75,5419 7188.75,5419 7328.75,5419 7398.75,5419 7538.75,5419 9288.75,5419 9358.75,5419 9428.75,5419 9498.75,5419 83.75,5489 153.75,5489 223.75,5489 293.75,5489 363.75,5489 433.75,5489 643.75,5489 853.75,5489 1063.75,5489 1273.75,5489 1483.75,5489 1693.75,5489 2043.75,5489 2253.75,5489 2323.75,5489 2533.75,5489 2743.75,5489 2953.75,5489 3163.75,5489 3373.75,5489 3723.75,5489 3933.75,5489 4143.75,5489 4353.75,5489 4563.75,5489 4773.75,5489 4843.75,5489 5053.75,5489 5263.75,5489 5473.75,5489 5683.75,5489 5893.75,5489 6243.75,5489 6873.75,5489 7083.75,5489 7293.75,5489 7363.75,5489 9253.75,5489 9323.75,5489 9393.75,5489 9463.75,5489 9533.75,5489 48.75,5559 118.75,5559 188.75,5559 258.75,5559 328.75,5559 398.75,5559 468.75,5559 608.75,5559 678.75,5559 818.75,5559 888.75,5559 1028.75,5559 1098.75,5559 1238.75,5559 1308.75,5559 1448.75,5559 1518.75,5559 1658.75,5559 1728.75,5559 1798.75,5559 1868.75,5559 2008.75,5559 2078.75,5559 2288.75,5559 2358.75,5559 2498.75,5559 2568.75,5559 2708.75,5559 2778.75,5559 2918.75,5559 2988.75,5559 3128.75,5559 3198.75,5559 3338.75,5559 3408.75,5559 3478.75,5559 3548.75,5559 3688.75,5559 3758.75,5559 3898.75,5559 3968.75,5559 4108.75,5559 4178.75,5559 4318.75,5559 4388.75,5559 4528.75,5559 4738.75,5559 4808.75,5559 4878.75,5559 5018.75,5559 5088.75,5559 5228.75,5559 5298.75,5559 5438.75,5559 5508.75,5559 5648.75,5559 5718.75,5559 5858.75,5559 5928.75,5559 5998.75,5559 6068.75,5559 6208.75,5559 6278.75,5559 6418.75,5559 6628.75,5559 6698.75,5559 6838.75,5559 6908.75,5559 7048.75,5559 7258.75,5559 7328.75,5559 7398.75,5559 7538.75,5559 9148.75,5559 9218.75,5559 9288.75,5559 9358.75,5559 9428.75,5559 9498.75,5559 83.75,5629 293.75,5629 363.75,5629 433.75,5629 503.75,5629 573.75,5629 643.75,5629 713.75,5629 783.75,5629 853.75,5629 923.75,5629 993.75,5629 1063.75,5629 1133.75,5629 1203.75,5629 1273.75,5629 1343.75,5629 1413.75,5629 1483.75,5629 1553.75,5629 1623.75,5629 1693.75,5629 1763.75,5629 1833.75,5629 1903.75,5629 1973.75,5629 2043.75,5629 2113.75,5629 2183.75,5629 2253.75,5629 2323.75,5629 2393.75,5629 2463.75,5629 2533.75,5629 2603.75,5629 2673.75,5629 2743.75,5629 2813.75,5629 2883.75,5629 2953.75,5629 3023.75,5629 3093.75,5629 3163.75,5629 3233.75,5629 3303.75,5629 3373.75,5629 3443.75,5629 3513.75,5629 3583.75,5629 3653.75,5629 3723.75,5629 3793.75,5629 3863.75,5629 3933.75,5629 4003.75,5629 4073.75,5629 4143.75,5629 4213.75,5629 4283.75,5629 4353.75,5629 4423.75,5629 4493.75,5629 4563.75,5629 4633.75,5629 4703.75,5629 4773.75,5629 4843.75,5629 4913.75,5629 4983.75,5629 5053.75,5629 5123.75,5629 5193.75,5629 5263.75,5629 5473.75,5629 5543.75,5629 5613.75,5629 5683.75,5629 5753.75,5629 5823.75,5629 5893.75,5629 5963.75,5629 6033.75,5629 6103.75,5629 6173.75,5629 6243.75,5629 6313.75,5629 6383.75,5629 6523.75,5629 6593.75,5629 6663.75,5629 6733.75,5629 6803.75,5629 6873.75,5629 6943.75,5629 7013.75,5629 7083.75,5629 7153.75,5629 7223.75,5629 7293.75,5629 7363.75,5629 7433.75,5629 7503.75,5629 7573.75,5629 7643.75,5629 7713.75,5629 7783.75,5629 7853.75,5629 7923.75,5629 7993.75,5629 8063.75,5629 8133.75,5629 8203.75,5629 8273.75,5629 8343.75,5629 8413.75,5629 8483.75,5629 8553.75,5629 8623.75,5629 8693.75,5629 8763.75,5629 8833.75,5629 8903.75,5629 8973.75,5629 9043.75,5629 9113.75,5629 9183.75,5629 9253.75,5629 9533.75,5629 48.75,5699 328.75,5699 398.75,5699 468.75,5699 538.75,5699 608.75,5699 678.75,5699 748.75,5699 818.75,5699 888.75,5699 958.75,5699 1028.75,5699 1098.75,5699 1168.75,5699 1238.75,5699 1308.75,5699 1378.75,5699 1448.75,5699 1518.75,5699 1588.75,5699 1658.75,5699 1728.75,5699 1798.75,5699 1868.75,5699 1938.75,5699 2008.75,5699 2078.75,5699 2148.75,5699 2218.75,5699 2288.75,5699 2358.75,5699 2428.75,5699 2498.75,5699 2568.75,5699 2638.75,5699 2708.75,5699 2778.75,5699 2848.75,5699 2918.75,5699 2988.75,5699 3058.75,5699 3128.75,5699 3198.75,5699 3268.75,5699 3338.75,5699 3408.75,5699 3478.75,5699 3548.75,5699 3618.75,5699 3688.75,5699 3758.75,5699 3828.75,5699 3898.75,5699 3968.75,5699 4038.75,5699 4108.75,5699 4178.75,5699 4248.75,5699 4318.75,5699 4388.75,5699 4458.75,5699 4528.75,5699 4598.75,5699 4668.75,5699 4738.75,5699 4808.75,5699 4878.75,5699 4948.75,5699 5018.75,5699 5088.75,5699 5158.75,5699 5228.75,5699 5298.75,5699 5438.75,5699 5508.75,5699 5578.75,5699 5648.75,5699 5718.75,5699 5788.75,5699 5858.75,5699 5928.75,5699 5998.75,5699 6068.75,5699 6138.75,5699 6208.75,5699 6278.75,5699 6348.75,5699 6418.75,5699 6558.75,5699 6628.75,5699 6698.75,5699 6768.75,5699 6838.75,5699 6908.75,5699 6978.75,5699 7048.75,5699 7118.75,5699 7188.75,5699 7258.75,5699 7328.75,5699 7398.75,5699 7468.75,5699 7538.75,5699 7608.75,5699 7678.75,5699 7748.75,5699 7818.75,5699 7888.75,5699 7958.75,5699 8028.75,5699 8098.75,5699 8168.75,5699 8238.75,5699 8308.75,5699 8378.75,5699 8448.75,5699 8518.75,5699 8588.75,5699 8658.75,5699 8728.75,5699 8798.75,5699 8868.75,5699 8938.75,5699 9008.75,5699 9078.75,5699 9148.75,5699 9218.75,5699 83.75,5769 363.75,5769 433.75,5769 503.75,5769 573.75,5769 643.75,5769 713.75,5769 783.75,5769 853.75,5769 923.75,5769 993.75,5769 1063.75,5769 1133.75,5769 1203.75,5769 1273.75,5769 1343.75,5769 1413.75,5769 1483.75,5769 1553.75,5769 1623.75,5769 1693.75,5769 1763.75,5769 1833.75,5769 1903.75,5769 1973.75,5769 2043.75,5769 2113.75,5769 2183.75,5769 2253.75,5769 2323.75,5769 2393.75,5769 2463.75,5769 2533.75,5769 2603.75,5769 2673.75,5769 2743.75,5769 2813.75,5769 2883.75,5769 2953.75,5769 3023.75,5769 3093.75,5769 3163.75,5769 3233.75,5769 3303.75,5769 3373.75,5769 3443.75,5769 3513.75,5769 3583.75,5769 3653.75,5769 3723.75,5769 3793.75,5769 3863.75,5769 3933.75,5769 4003.75,5769 4073.75,5769 4143.75,5769 4213.75,5769 4283.75,5769 4353.75,5769 4423.75,5769 4493.75,5769 4563.75,5769 4633.75,5769 4703.75,5769 4773.75,5769 4843.75,5769 4913.75,5769 4983.75,5769 5053.75,5769 5123.75,5769 5193.75,5769 5263.75,5769 5333.75,5769 6523.75,5769 6593.75,5769 6663.75,5769 6733.75,5769 6803.75,5769 6873.75,5769 6943.75,5769 7013.75,5769 7083.75,5769 7153.75,5769 7223.75,5769 7293.75,5769 7363.75,5769 7433.75,5769 7503.75,5769 7573.75,5769 7643.75,5769 7713.75,5769 7783.75,5769 7853.75,5769 7923.75,5769 7993.75,5769 8063.75,5769 8133.75,5769 8203.75,5769 8273.75,5769 8343.75,5769 8413.75,5769 8483.75,5769 8553.75,5769 8623.75,5769 8693.75,5769 8763.75,5769 8833.75,5769 8903.75,5769 8973.75,5769 9043.75,5769 9113.75,5769 9183.75,5769 9253.75,5769 9533.75,5769
  other v2: 6193.43,4098.45 6232.8,4099.63 6272.17,4099.63 6311.54,4099.63 6193.43,4139 6232.8,4139 6272.17,4139 6311.54,4139 6350.91,4139 6232.8,4178.37 6272.17,4178.37 6311.54,4178.37 6310.35,4216.56 6193.43,4217.74 6232.8,4217.74 6272.17,4217.74 6350.91,4217.74 4907.8,4540.26 4947.17,4540.26 5025.91,4540.26 4868.43,4578.45 4947.17,4579.63 4986.54,4579.63 4868.43,4619 4907.8,4619 4986.54,4619 5025.91,4619 4907.8,4658.37 4947.17,4658.37 4986.54,4658.37 5025.91,4658.37 4985.35,4696.56 4868.43,4697.74 4907.8,4697.74 4947.17,4697.74 5025.91,4697.74
  other v3: 4598,5135
  other v6: 2013.85,2431
AI0: D1.1 P1.6 | length 467.7
  Top Layer w10: D1.1@5801.29,5302.71 5805.27,5306.69 5805.27,5348.27 5873.87,5416.87 6088.23,5416.87 P1.6@6165.35,5494
AI1: D2.1 P1.5 | length 494.4
  Top Layer w10: D2.1@5951.92,5302.71 5951.92,5305.66 5980.38,5334.13 5983.33,5334.13 6005.56,5356.36 6107.89,5356.36 6168.41,5416.87 6288.23,5416.87 P1.5@6365.35,5494
AI2: D5.1 P1.4 | length 550.6
  Top Layer w10: D5.1@6102.54,5302.71 6102.54,5305.66 6131.01,5334.13 6133.96,5334.13 6178.83,5379 6462,5379 6565.35,5482.35 P1.4@6565.35,5494
AI3: D7.1 P1.3 | length 593.2
  Top Layer w10: D7.1@6253.17,5302.71 6253.17,5305.66 6281.63,5334.13 6284.58,5334.13 6310.46,5360 6573.28,5360 6707.28,5494 P1.3@6765.35,5494
AI4: D10.1 P1.2 | length 640.8
  Top Layer w10: D10.1@6403.79,5302.71 6586.71,5302.71 6652,5368 6839.35,5368 P1.2@6965.35,5494
AI5: P1.11
AI6: P1.7
AI7: P1.8
AI8: P1.9
AO_0: P1.1 U45.3 | length 896.9
  Top Layer w20: P1.1@7165.35,5494 7628.54,5030.82 U45.3@7628.54,4789
AO_BOOST: Q11.3 U11.20 | length 530.6
  Top Layer w10: U11.20@7180.15,4759.16 7180.15,4841.15 v1(7207,4868)
  Bottom Layer w10: v1(7207,4868) 7180.15,4841.15 7180.15,4810.28 7192.89,4797.54 7320.9,4797.54 7365.68,4752.76 7365.68,4703.01 7403.11,4665.58 Q11.3@7432.91,4665.58
AO_IOUT: C40.2 Q11.1 R72.1 U11.19 | length 380.7
  Top Layer w10: U11.19@7205.74,4759.16 v1(7205.74,4834.74)
  Bottom Layer w10: v1(7205.74,4834.74) 7208.45,4834.74 7212.79,4839.08 C40.2@7351.54,4839.08 ; Q11.1@7393.54,4764 7393.54,4771.87 7370.92,4794.49 7367.34,4794.49 7351.54,4810.3 C40.2@7351.54,4839.08 ; R72.1@7414.48,4839 7414.4,4839.08 C40.2@7351.54,4839.08
DI_0: C108.2 D4.1 P3.4 U25.2 | length 2593.7
  Top Layer w10: P3.4@1565.35,5494 1726.35,5333 2271,5333 2878,4726 3423,4726 3475.5,4778.5 U25.2@3475.5,4822.11 3475.5,4892.5 3488.61,4905.61 D4.1@3488.61,5038.21
  Bottom Layer w10: v1(3488.18,4990.97) 3489.18,4991.97 C108.2@3489.18,5069.06
DI_1: C56.2 D13.1 P3.3 U25.4 | length 2260.1
  Top Layer w10: P3.3@1765.35,5494 1911.35,5348 2283,5348 2887,4744 3305.27,4744 3375.5,4814.24 U25.4@3375.5,4822.11 3375.5,4892.5 3359.32,4908.68 v1(3359.32,4990.97) ; v1@3361.61,4990.97 D13.1@3361.61,5039.21
  Bottom Layer w10: v1(3359.32,4990.97) 3360.32,4991.97 C56.2@3360.32,5069.06
DI_2: C63.2 D14.1 P3.2 U25.6 | length 1973.3
  Top Layer w10: P3.2@1965.35,5494 2096.35,5363 2298,5363 2894.6,4766.4 3264,4766.4 3275.5,4777.91 U25.6@3275.5,4822.11 3275.5,4894.5 3231.61,4938.39 D14.1@3231.61,5038.21
  Bottom Layer w10: v1(3230.46,4990.97) 3231.46,4991.97 C63.2@3231.46,5069.06
DI_3: C65.2 D15.1 P3.1 U25.8 | length 1661.3
  Top Layer w10: P3.1@2165.35,5494 2165.35,5412.65 2191,5387 2297.67,5387 2862.56,4822.11 U25.8@3175.5,4822.11 3175.5,4889.5 3101.61,4963.39 D15.1@3101.61,5038.21
  Bottom Layer w10: v1(3101.61,4990.97) 3102.61,4991.97 C65.2@3102.61,5069.06
DI_4: C76.2 D45.1 P3.8 U17.2 | length 4071.9
  Top Layer w10: P3.8@765.35,5494 765.35,5438.65 977,5227 2254,5227 2829.41,4651.59 3931.44,4651.59 4040.5,4760.65 U17.2@4040.5,4827.11 4040.5,4913.5 4073.32,4946.32 v1(4073.32,4990.97) 4073.32,5036.93 D45.1@4074.61,5038.21
  Bottom Layer w10: v1(4073.32,4990.97) 4074.32,4991.97 C76.2@4074.32,5069.06
DI_5: C78.2 D16.1 P3.7 U17.4 | length 3709.9
  Top Layer w10: P3.7@965.35,5494 1211.35,5248 2265,5248 2846.41,4666.59 3839.51,4666.59 3940.5,4767.59 U17.4@3940.5,4827.11 3944.75,4831.36 v1(3944.75,4990.97) 3944.75,5036.36 D16.1@3946.61,5038.21
  Bottom Layer w10: v1@3945.75,4991.97 C78.2@3945.75,5069.06
DI_6: C79.2 D17.1 P3.6 U17.6 | length 3397.3
  Top Layer w10: P3.6@1165.35,5494 1386.35,5273 2273,5273 2863,4683 3742,4683 3840.5,4781.5 U17.6@3840.5,4827.11 3840.5,4901.5 3816.18,4925.82 v1(3816.18,4990.97) 3816.18,5037.78 D17.1@3816.61,5038.21
  Bottom Layer w10: v1(3816.18,4990.97) 3817.18,4991.97 C79.2@3817.18,5069.06
DI_7: C80.2 D18.1 P3.5 U17.8 | length 3090.2
  Top Layer w10: P3.5@1365.35,5494 1556.35,5303 2270,5303 2871.67,4701.33 3653.41,4701.33 3740.5,4788.42 U17.8@3740.5,4827.11 3740.5,4882.5 3687.61,4935.39 v1(3687.61,4990.97) 3687.61,5037.21 D18.1@3688.61,5038.21
  Bottom Layer w10: v1(3687.61,4990.97) 3688.61,4991.97 C80.2@3688.61,5069.06
DI_8: C16.2 D36.1 P11.1 U7.2 | length 884.9
  Top Layer w10: U7.2@9061,4805.03 9061,4857 9104,4900 D36.1@9104,5113.1 9060.9,5113.1 9040,5134 9040,5333 9072,5365 P11.1@9072,5494.02
  Bottom Layer w10: v1(9103.29,5046.89) C16.2@9103.29,5160
DI_9: C19.2 D37.1 P11.2 U7.4 | length 871.9
  Top Layer w10: P11.2@8872,5494.02 8872,5476.02 8900.14,5447.88 8900.14,5136.86 8925.43,5111.57 D37.1@8968.35,5111.57 8968.35,4812.38 U7.4@8961,4805.03
  Bottom Layer w10: v1@8967.86,5045.14 C19.2@8967.86,5160
  other v1: 8968.35,5044.65
DI_10: C22.2 D38.1 P11.3 U7.6 | length 905.6
  Top Layer w10: P11.3@8672,5494.02 8768,5398.02 8768,5135 8789.9,5113.1 D38.1@8830,5113.1 8830,4926 8861,4895 U7.6@8861,4805.03
  Bottom Layer w10: v1(8830,5046.17) 8830,5126 8832.43,5128.43 C22.2@8832.43,5160
DI_11: C24.2 D39.1 P11.4 U7.8 | length 967.1
  Top Layer w10: P11.4@8472,5494.02 8472,5227 8585.9,5113.1 D39.1@8699,5113.1 8699,4969 8761,4907 U7.8@8761,4805.03
  Bottom Layer w10: v1@8697,5067.86 C24.2@8697,5160
  other v1: 8699,5065.86
DI_12: C18.2 D40.1 P11.5 U8.2 | length 848.9
  Top Layer w10: P11.5@8272,5494.02 8272,5135 8293.9,5113.1 D40.1@8336,5113.1 v1(8336,5075.8) 8296,5035.8 U8.2@8296,4789
  Bottom Layer w10: v1(8336,5075.8) C18.2@8336,5151.94
DI_13: C20.2 D41.1 P11.6 U8.4 | length 872.9
  Top Layer w10: P11.6@8072,5494.02 8072,5382 8135,5319 8135,5139 8158.9,5115.1 D41.1@8208,5115.1 8210,5113.1 v1(8210,5076.86) 8210,4859 8196,4845 U8.4@8196,4789
  Bottom Layer w10: v1(8210,5076.86) C20.2@8210,5153
DI_14: C23.2 D42.1 P11.7 U8.6 | length 918.1
  Top Layer w10: P11.7@7872,5494.02 7999,5367.02 7999,5140 8018.9,5120.1 D42.1@8066,5120.1 8066,5029 8096,4999 U8.6@8096,4789
  Bottom Layer w10: C23.2@8023.68,5148 8023.68,5115.18 v1(8066,5072.86)